# Altium PCB LFI Power Board PCB1.PcbDoc (continued)
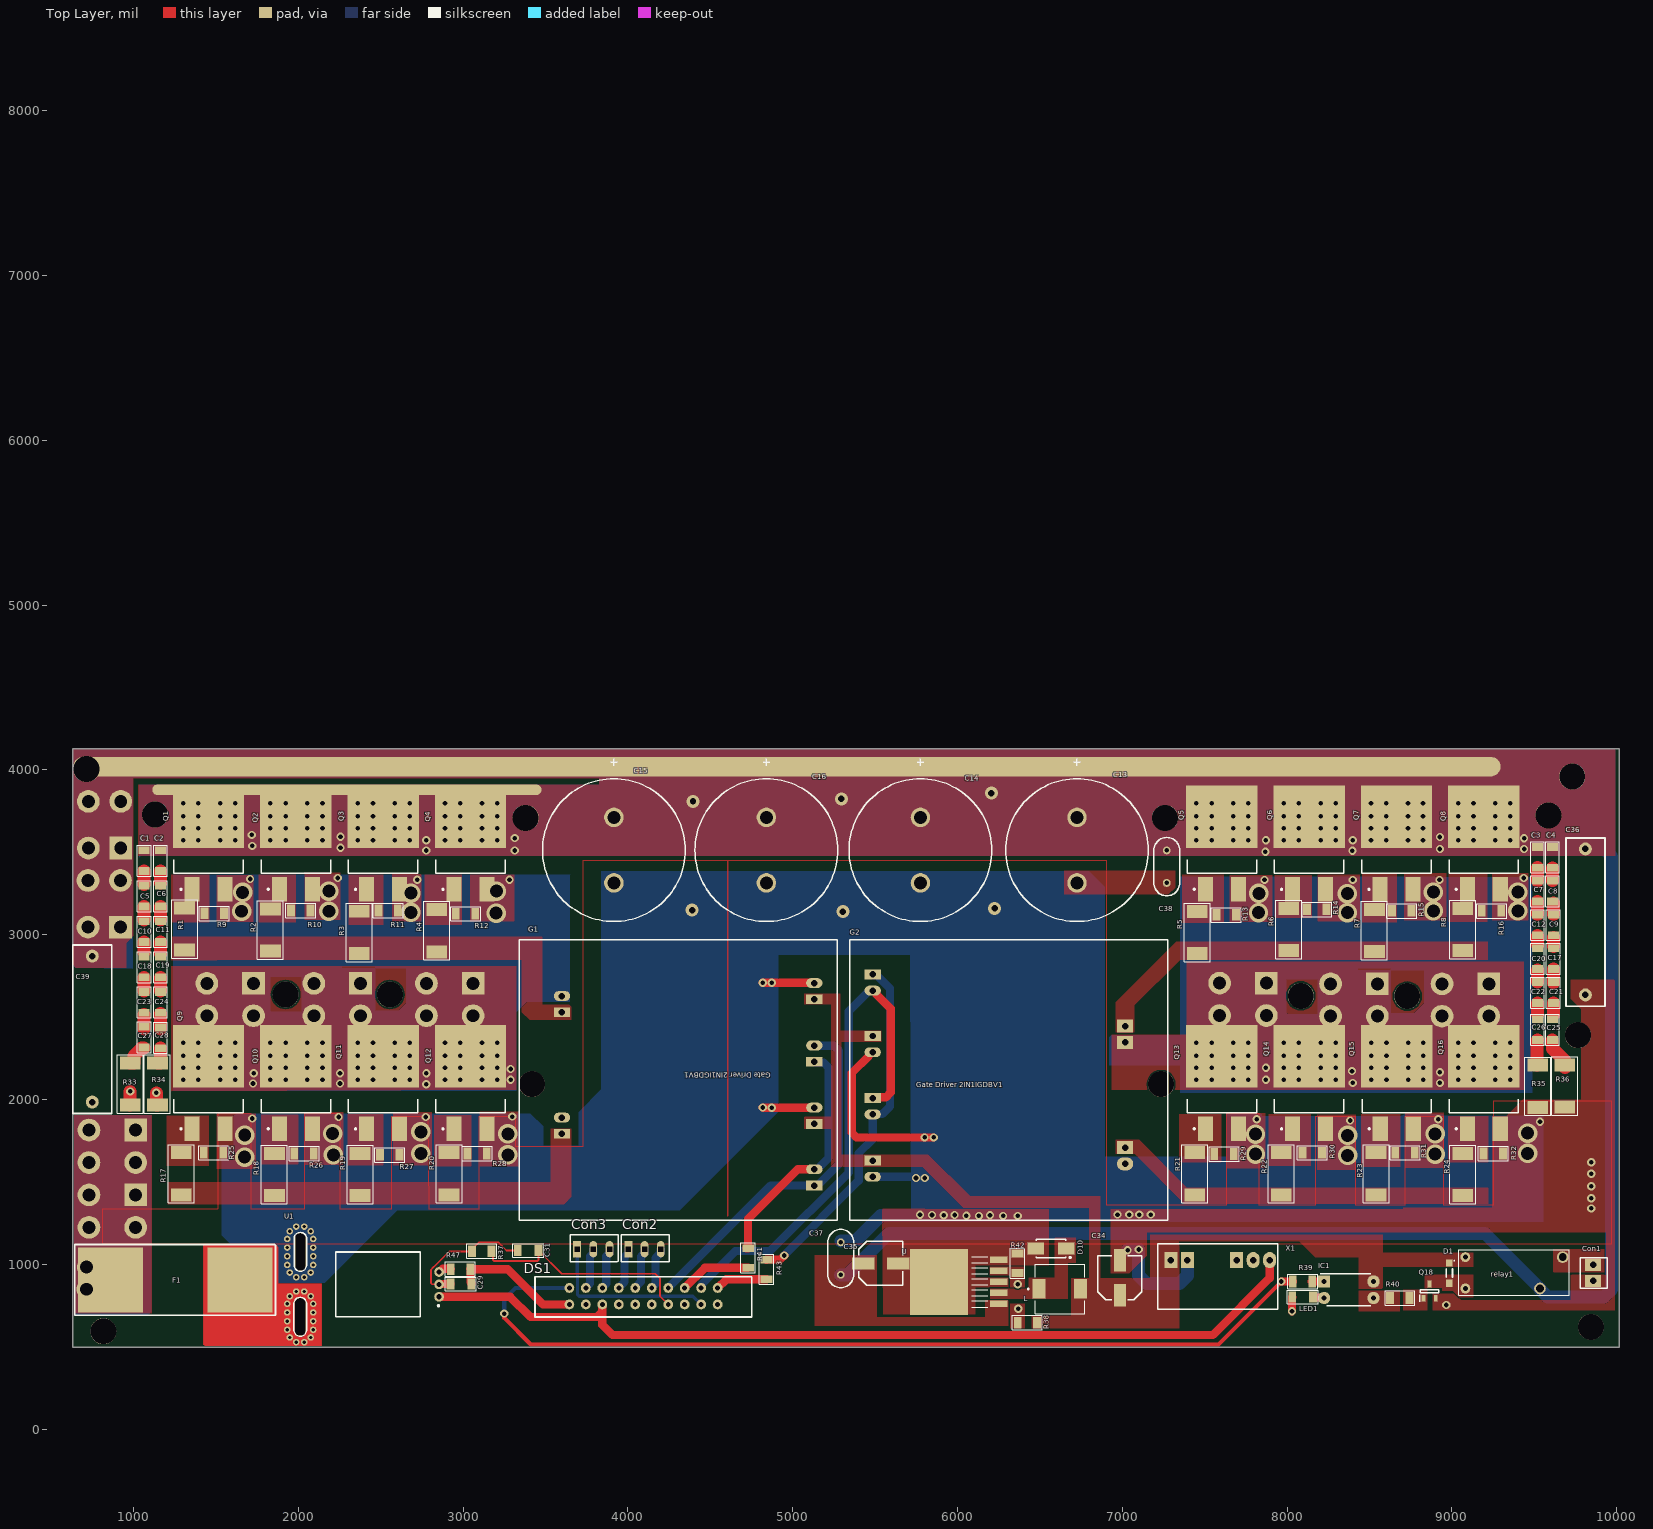
[diagram p0: Top Layer view]
## Nets (pads, with @x,y where several pads share a name; then routed paths per layer and width w, separated by ;. In a path a pad name is that pad's centre, name@x,y a point inside that pad or via, vN(x,y) a via of type N, cw(c..) or ccw(c..) an arc to the next point about the centre after c; other vN are vias at no path point) (continued)
  other v3: 4395,3810 5295,3825 6205,3860
f: R38.1 R42.2 U.4
  other v1: 6369.09,731.34 6364.82,878.98
GND_1: C13.1 C14.1 C15.1 C16.1 C34.2 C35.2 C36.1 C37.1 C38.1 C39.1 Con1.2 D10.a G1.4 G1.8 G1.10 G2.4 G2.8 G2.12 pad.27@9763.78,2390.75 pad.29@2013.38,1075.23 Q9.2 Q10.2 Q11.2 Q12.2 Q13.2 Q14.2 Q15.2 Q16.2 Q18.2 R25.1 R26.1 R27.1 R28.1 R29.1 R30.1 R31.1 R32.1 R33.1 R34.1 R35.1 R36.1 R42.1 U1.4 U.3 U.5 U.6 X1.2 | length 3373.8
  Top Layer w10: v2(9459.17,1796.26) v2@9461.94,1796.26 ; v1@9531.81,1866.14 v1(9534.58,1866.14)
  Top Layer w50: v1(4818.9,1951.85) 4819.81,1950.94 v1(4872.69,1950.94) 5131.17,1950.94 G1.4 ; v1(4818.9,2708.66) v1(4872.69,2708.66) 5130,2708.66 G1.8 ; G2.4 5468.02,2287.56 5463.4,2282.94 5463.4,2265.96 5358.27,2160.83 5358.27,1799.96 5387.69,1770.54 v1(5800.41,1770.54) 5800.54,1770.67 v1(5856.3,1770.67)
  Top Layer w78.74: R33.1 v1(980,2049.79) ; v1(1138.78,2041.34) 1138.78,1967.05 R34.1
  Bottom Layer w50: G2.8 5740.98,1531.65 v1(5748.03,1524.61) v1(5800.54,1524.61)
  Bottom Layer w78.74: C37.1@5293.43,1140.75 5378.72,1140.75 5534.23,1296.26 v1@5772.64,1296.26 ; v1(7031.95,1086.64) 7095.25,1086.64 v1(7099.03,1090.42) 7099.03,931.2 7145.15,885.07 7347.97,885.07 7394.09,931.2 X1.2
  other v1: 8965.55,753.94 6129.92,1294.29 6276.57,1294.29 6364.82,1294.29 6054.13,1295.28 5916.34,1298.23 6196.85,1298.23 5845.47,1300.2 5982.28,1300.2 5772.64,1301.18 6970.47,1302.17 7042.76,1302.17 7102.28,1302.17 7172.74,1302.17 9844.92,1339.84 9844.92,1401.57 9844.92,1474.84 9844.92,1550 9844.92,1619.84 8381.89,1873.03 7815.94,1880.91 8917.32,1880.91 1720.32,1885.52 2244.68,1894.27 2773.62,1894.49 3298.08,1897
  other v2: 1674.21,1650.59 8367.22,1661.46 2213.04,1665 3271.65,1665 7808.09,1668.65 8898.24,1669.78 2743.15,1672.95 9459.17,1674.45 8367.22,1783.27 1675.2,1784.45 7808.09,1790.46 8898.24,1791.59 3271.65,1792.8 2208.66,1794.29 2743.15,1804.8
  other v3: 5305,3140 4390,3150 6225,3160
IFB: C29.2 DS1.20 R47.2 | length 785.5
  Top Layer w50: C29.2 3049.21,888.98 3044.69,893.5 3044.69,969.09 R47.2 3271.65,970.47 3485.24,756.89 DS1.20@3649.3,756.89
ISO5v: DS1.18 U1.1 X1.7 | length 5503.7
  Top Layer w50: U1.1 3285.83,803.74 3408.46,681.1 3813.8,681.1 3843.08,710.39 ; DS1.18 3844.69,710.39 3844.69,632.68 3905.9,571.46 7548.82,571.46 7894.09,916.73 X1.7
ISO5vGnd: C29.1 C31.1 DS1.11 LED1.1 R37.1 U1.2 X1.5 | length 906.4
  Top Layer w10: U1.2 2810.95,878.94 2805.09,884.79 2805.09,967.49 2819.61,982.01 cw(c2854.33,954.13) 2826.45,988.85 2916.34,1078.74 3053.15,1078.74 R37.1 ; R37.1@3053.15,1090.55 3072.76,1110.16 3072.76,1111.14 3096.46,1134.84 3213.15,1134.84 3263.35,1084.65 C31.1
  Top Layer w50: U1.2 2855.81,880.41 2921.85,880.41 2923.23,881.79 C29.1 ; v1(8029.72,716.34) 8029.72,799.96 LED1.1
  Bottom Layer w50: U1.2@2852.6,877.2 U1.2
NetC1_1: C1.1 C5.2 | length 82
  Top Layer w78.74: C5.2@1065,3305 C1.1
NetC2_1: C2.1 C6.2 | length 72
  Top Layer w78.74: C6.2@1165,3315 C2.1
NetC3_1: C3.1 C7.2 | length 79.3
  Top Layer w78.74: C7.2@9520,3327.67 C3.1
NetC4_1: C4.1 C8.2 | length 77
  Top Layer w78.74: C8.2@9610,3328.07 C4.1@9610,3405.08
NetC5_1: C5.1 C10.2 | length 82
  Top Layer w78.74: C10.2@1065,3090 C5.1
NetC6_1: C6.1 C11.2 | length 82.1
  Top Layer w78.74: C11.2@1165,3089.89 C6.1
NetC7_1: C7.1 C12.2 | length 79
  Top Layer w78.74: C12.2 C7.1
NetC8_1: C8.1 C9.2 | length 71.2
  Top Layer w78.74: C9.2 C8.1@9615,3194.22
NetC9_1: C9.1 C17.2 | length 55.2
  Top Layer w78.74: C17.2@9615,2930 C9.1@9615,2985.23
NetC10_1: C10.1 C18.2 | length 65
  Top Layer w78.74: 1065,2891.95 C10.1
NetC11_1: C11.1 C19.2 | length 71.9
  Top Layer w78.74: C19.2@1165,2885 C11.1
NetC12_1: C12.1 C20.2 | length 57.9
  Top Layer w78.74: C20.2@9520,2939.15 C12.1
NetC17_1: C17.1 C21.2 | length 84.3
  Top Layer w78.74: C21.2@9615,2707.5 C17.1@9615,2791.8
NetC18_1: C18.1 C23.2 | length 82
  Top Layer w78.74: C23.2@1065,2660 C18.1
NetC19_1: C19.1 C24.2 | length 82.5
  Top Layer w78.74: C24.2@1165,2659.17 C19.1@1165,2741.69
NetC20_1: C20.1 C22.2 | length 71.7
  Top Layer w78.74: C22.2@9520,2715 C20.1@9520,2786.71
NetC21_1: C21.1 C25.2 | length 72
  Top Layer w78.74: 9615,2515 C21.1
NetC22_1: C22.1 C26.2 | length 72
  Top Layer w78.74: 9520,2515 C22.1
NetC23_1: C23.1 C27.2 | length 88
  Top Layer w78.74: C27.2@1065,2429.82 C23.1@1065,2517.82
NetC24_1: C24.1 C28.2 | length 92.1
  Top Layer w78.74: C28.2@1165,2429.82 C24.1@1165,2521.95
NetC25_1: C25.1 R36.2 | length 199.7
  Top Layer w78.74: C25.1@9608.74,2362.01 9608.74,2311.26 9685,2235 R36.2 R36.2@9685,2193.9
NetC26_1: C26.1 R35.2 | length 155.2
  Top Layer w78.74: R35.2@9515,2208.83 9515,2357.01 C26.1
NetC27_1: C27.1 R33.2 | length 146.9
  Top Layer w78.74: R33.2 1003.62,2222.95 1003.62,2265.71 1049.75,2311.83 C27.1@1065,2311.83
NetC28_1: C28.1 R34.2 | length 109.1
  Top Layer w78.74: R34.2 1165,2222.95 C28.1
NetCon1_1: Con1.1 relay1.4
NetCon2_1: Con2.1 DS1.7 | length 259.4
  Bottom Layer w50: DS1.7 3944.69,859.99 3979.33,894.64 3979.33,1046.06 4002.95,1069.68 Con2.1
NetCon2_2: Con2.2 DS1.6 | length 258.7
  Bottom Layer w50: DS1.6 4044.69,859.99 4079.72,895.03 4079.72,1048.03 4101.38,1069.68 Con2.2
NetCon2_3: Con2.3 DS1.5 | length 258.3
  Bottom Layer w50: DS1.5 4144.69,859.99 4167.32,882.63 4167.32,1037.64 4197.99,1068.31 4198.43,1068.31 4199.8,1069.68 Con2.3
NetCon3_1: Con3.1 DS1.12 | length 1051.6
  Bottom Layer w20: Con3.1 3691.93,946.32 3694.69,943.56 3694.69,836.57 3693.68,835.57 3693.68,819 3705.4,807.28 4394.69,807.28 DS1.12
NetCon3_2: Con3.2 DS1.9 | length 254.2
  Bottom Layer w50: DS1.9 3744.69,859.99 3769.69,884.99 3769.69,1049.02 3790.35,1069.69 Con3.2
NetCon3_3: Con3.3 DS1.8 | length 253.5
  Bottom Layer w50: DS1.8 3844.69,859.99 3869.09,884.4 3869.09,1050 3888.78,1069.69 Con3.3
NetD1_a: D1.a Q18.3 relay1.2
NetD10_k: D10.k L.1 U.2
NetDS1_1: DS1.1 R43.2 | length 317.6
  Top Layer w50: DS1.1 4597.09,909.68 R43.2
NetDS1_2: DS1.2 G2.2 G2.5 | length 3168.2
  Top Layer w50: G2.5 5490,2014.02 5565.2,2014.02 5594.49,2043.31 5594.49,2552.09 5506.6,2639.98 5506.6,2656.96 5501.98,2661.57 G2.2
  Bottom Layer w50: DS1.2 4446.6,859.2 4446.6,876.84 4651.45,1081.69 4863.55,1081.69 5340.31,1558.46 5340.31,2536.57 5462.05,2658.31 5481.73,2658.31 G2.2
NetDS1_3: DS1.3 R41.2 | length 435.6
  Top Layer w50: DS1.3 4466.73,979.33 4728.35,979.33 R41.2
NetDS1_4: DS1.4 G1.1 G1.6 | length 2198.1
  Top Layer w10: G1.6@5150,2334.37 G1.6@5150.51,2334.88
  Bottom Layer w50: DS1.4 4866.22,1478.82 5151.18,1478.82 5280.31,1607.95 5280.31,2297.03 5251.03,2326.32 5133.41,2326.32 G1.6
NetDS1_10: DS1.10 R39.2 | length 5545.1
  Top Layer w25: v1(3250,701.77) 3250,675.2 3410.43,514.76 7583.43,514.76 v1(7965,896.34)
  Top Layer w50: v1(7965,896.34) R39.2
  Bottom Layer w25: v1@3249.69,701.77 3249.69,788.39 3318.58,857.28 DS1.10
NetF1_1: F1.1 pad.29@2012.22,680.75 U1.5
NetF1_2: F1.2 T5.1 T6.1
  other v2: 714.57,849.41 715.55,983.27
NetG1_2: G1.2 G1.5 R41.1 | length 1489.3
  Top Layer w50: R41.1 4720.28,1098.43 4718.9,1099.8 4729.33,1099.8 4729.33,1276.57 5030,1577.24 G1.2
  Bottom Layer w50: G1.2 5148.48,1577.24 5217.72,1646.49 5217.72,2195.51 5188.43,2224.8 5136.5,2224.8 G1.5
NetG1_9: G1.9 R17.1 R18.1 R19.1 R20.1
NetG1_11: G1.11 R1.1 R2.1 R3.1 R4.1
NetG2_1: G2.1 G2.6 R43.1 | length 2204.9
  Top Layer w50: R43.1 4841.93,1029.17 4924.42,1029.17 v1(4949.19,1053.94) ; G2.6@5463.4,1905.97 5468.02,1910.59 G2.6 G2.6@5486.91,1912.5
  Bottom Layer w50: v1(4949.19,1053.94) 4949.19,1056.7 5400.31,1507.83 5400.31,1674.58 5485,1759.26 G2.6 5486.91,1912.5 5543.41,1912.5 5589.57,1958.66 5589.57,2675.12 5509.69,2755 5490,2755 G2.1
NetG2_9: G2.9 R5.1 R6.1 R7.1 R8.1
NetG2_11: G2.11 R21.1 R22.1 R23.1 R24.1
NetIC1_1: IC1.1 R39.1 | length 75.9
  Top Layer w50: R39.1@8148.15,896.34 IC1.1
NetIC1_2: IC1.2 LED1.2 | length 69.7
  Top Layer w50: LED1.2 8157.09,800.22 8158.46,798.84 8221.59,798.84 IC1.2
NetIC1_3: IC1.3 R40.2
NetQ1_1: Q1.1 R1.2 R9.2
NetQ2_1: Q2.1 R2.2 R10.2
NetQ3_1: Q3.1 R3.2 R11.2
NetQ4_1: Q4.1 R4.2 R12.2
NetQ5_1: Q5.1 R5.2 R13.2
NetQ6_1: Q6.1 R6.2 R14.2
NetQ7_1: Q7.1 R7.2 R15.2
NetQ8_1: Q8.1 R8.2 R16.2
NetQ9_1: Q9.1 R17.2 R25.2
NetQ10_1: Q10.1 R18.2 R26.2
NetQ11_1: Q11.1 R19.2 R27.2
NetQ12_1: Q12.1 R20.2 R28.2
NetQ13_1: Q13.1 R21.2 R29.2
NetQ14_1: Q14.1 R22.2 R30.2
NetQ15_1: Q15.1 R23.2 R31.2
NetQ16_1: Q16.1 R24.2 R32.2
NetQ18_1: Q18.1 R40.1
NetR47_1: R47.1 U1.3 | length 81
  Top Layer w50: U1.3 2856.78,954.13 2876.07,973.43 2923.82,973.43 2925.2,972.05 R47.1
Source_1: G1.12 Q1.2 Q2.2 Q3.2 Q4.2 Q9.3 Q10.3 Q11.3 Q12.3 R9.1 R10.1 R11.1 R12.1 T7.1 T9.1 T11.1
  other v1: 2776.57,2093.43 1725.39,2097.44 2253.07,2097.44 1300.94,2120.08 1393.46,2120.08 1525.35,2120.08 1616.89,2120.08 1830.71,2120.08 1923.23,2120.08 2055.12,2120.08 2146.65,2120.08 2360.47,2120.08 2452.99,2120.08 2584.88,2120.08 2676.42,2120.08 2890.24,2120.08 2982.76,2120.08 3114.65,2120.08 3206.18,2120.08 3288.36,2120.08 1729.33,2160.43 2253.07,2160.43 2777.56,2160.43 3288.36,2186.03 1300.94,2193.9 1393.46,2193.9 1525.35,2193.9 1616.89,2193.9 1830.71,2193.9 1923.23,2193.9 2055.12,2193.9 2146.65,2193.9 2360.47,2193.9 2452.99,2193.9 2584.88,2193.9 2676.42,2193.9 2890.24,2193.9 2982.76,2193.9 3114.65,2193.9 3206.18,2193.9 1300.94,2265.75 1393.46,2265.75 1525.35,2265.75 1616.89,2265.75 1830.71,2265.75 1923.23,2265.75 2055.12,2265.75 2146.65,2265.75 2360.47,2265.75 2452.99,2265.75 2584.88,2265.75 2676.42,2265.75 2890.24,2265.75 2982.76,2265.75 3114.65,2265.75 3206.18,2265.75 1300.94,2344.49 1393.46,2344.49 1525.35,2344.49 1616.89,2344.49 1830.71,2344.49 1923.23,2344.49 2055.12,2344.49 2146.65,2344.49 2360.47,2344.49 2452.99,2344.49 2584.88,2344.49 2676.42,2344.49 2890.24,2344.49 2982.76,2344.49 3114.65,2344.49 3206.18,2344.49 2721.46,3334.65 3281.5,3334.65 1707.68,3338.58 2239.73,3344.7
  other v2: 3200.53,3131.2 2683.07,3135.83 1655.65,3142.95 2186.02,3142.95 2683.07,3252.95 1661.89,3257.99 2186.02,3264.76 3201.51,3265.06
Source_2: G2.10 Q5.2 Q6.2 Q7.2 Q8.2 Q13.3 Q14.3 Q15.3 Q16.3 R13.1 R14.1 R15.1 R16.1 T8.1 T10.1 T12.1
  other v1: 8398.62,2101.38 8927.17,2101.38 7449.29,2120.08 7541.81,2120.08 7673.7,2120.08 7765.24,2120.08 7871.06,2120.08 7979.06,2120.08 8071.57,2120.08 8203.46,2120.08 8295,2120.08 8510.59,2120.08 8603.11,2120.08 8735,2120.08 8826.54,2120.08 9038.58,2120.08 9131.1,2120.08 9262.99,2120.08 9354.53,2120.08 8927.17,2166.34 8393.7,2173.23 7449.29,2193.9 7541.81,2193.9 7673.7,2193.9 7765.24,2193.9 7871.06,2193.9 7979.06,2193.9 8071.57,2193.9 8203.46,2193.9 8295,2193.9 8510.59,2193.9 8603.11,2193.9 8735,2193.9 8826.54,2193.9 9038.58,2193.9 9131.1,2193.9 9262.99,2193.9 9354.53,2193.9 7449.29,2265.75 7541.81,2265.75 7673.7,2265.75 7765.24,2265.75 7979.06,2265.75 8071.57,2265.75 8203.46,2265.75 8295,2265.75 8510.59,2265.75 8603.11,2265.75 8735,2265.75 8826.54,2265.75 9038.58,2265.75 9131.1,2265.75 9262.99,2265.75 9354.53,2265.75 7449.29,2344.49 7541.81,2344.49 7673.7,2344.49 7765.24,2344.49 7979.06,2344.49 8071.57,2344.49 8203.46,2344.49 8295,2344.49 8510.59,2344.49 8603.11,2344.49 8735,2344.49 8826.54,2344.49 9038.58,2344.49 9131.1,2344.49 9262.99,2344.49 9354.53,2344.49 7862.56,3333.29 8398.62,3333.29 8924.57,3333.29 9435.04,3344.49
  other v2: 7826.2,3134.3 8365.16,3134.3 8887.35,3145 9400.15,3145 8365.16,3250 7828.74,3251.97 8887.35,3258.86 9400.15,3258.86
TFB: C31.2 DS1.14 R37.2 | length 1384.4
  Top Layer w10: R37.2@3181.1,1100.31 3181.1,1026.53 3186.96,1020.67 3451.91,1020.67 3457.77,1026.53 C31.2@3457.77,1069.6 ; C31.2 3598.43,943.9 4166.34,943.9 4194.88,915.35 4194.88,807.09 DS1.14
VFB: DS1.16
pads on no net: DS1.13 DS1.15 DS1.17 DS1.19 X1.6
copper on no net: | length 9.5
  Bottom Layer w25: 3944.69,747.81 3944.69,757.28

## Polygon pours and split planes (outlines as drawn)
GND_1 on Top Layer "Top Layer-NetG1_11" (solid, remove dead copper, pour order 293): 8717.37,1920.05 8951.45,1920.05 8951.45,1585.76 8717.37,1585.76
GND_1 on Top Layer "Top Layer-NetG1_11" (solid, remove dead copper, pour order 292): 8182.08,1908.26 8416.15,1908.26 8416.15,1573.97 8182.08,1573.97
GND_1 on Top Layer "Top Layer-NetG1_11" (solid, remove dead copper, pour order 291): 7634.05,1917.72 7868.12,1917.72 7868.12,1583.43 7634.05,1583.43
GND_1 on Top Layer "GND_1_L01_P239" (solid, pour order 239): 6109.09,919.84 6309.09,919.84 6309.09,861.34 6109.09,861.34 6109.09,696.34 5549.73,696.34 5542.45,1336.61 6554.09,1336.61 6554.09,996.34 6109.09,996.34
5v on Top Layer "5V_L01_P244" (solid, pour order 244): 5233.27,1822.09 5233.27,2578.74 5070.87,2578.74 5070.87,2642.72 5287.4,2642.72 5287.4,2419.29 5538.39,2419.29 5538.39,2351.38 5293.42,2351.38 5293.43,1665.35 5823.82,1665.35 6075.79,1413.39 6865.16,1413.39 6865.16,916.34 7168.05,916.34 7168.05,1181.1 7169.04,1180.12 8581.69,1180.12 8581.69,1047.09 8579.09,1044.49 8170.08,1044.49 8073.82,1140.75 7342.52,1140.75 7342.52,1116.32 7345,1113.84 7345,611.22 6450.14,611.22 6450.14,688.84 6690.14,688.84 6690.14,916.34 6799.21,916.34 6799.21,1344.49 6034.49,1344.49 5785.47,1593.5 5233.81,1593.5 5233.03,1821.85 5070.87,1821.85 5070.87,1893.7 5072.83,1895.67 5233.27,1895.67
Source_2 on Top Layer "Top Layer-NetG1_11" (solid, remove dead copper, pour order 290): 9243.11,3372.11 9461.61,3372.11 9461.61,3089.08 9243.11,3089.08
Source_2 on Top Layer "Top Layer-NetG1_11" (solid, remove dead copper, pour order 289): 8711.4,3372.76 8964.4,3372.76 8964.4,3089.74 8711.4,3089.74
Source_2 on Top Layer "Top Layer-NetG1_11" (solid, remove dead copper, pour order 288): 8185,3364.21 8439.55,3364.21 8439.55,3081.18 8185,3081.18
Source_2 on Top Layer "Top Layer-NetG1_11" (solid, remove dead copper, pour order 287): 7651.57,3362.28 7911.24,3362.28 7911.24,3079.26 7651.57,3079.26
GND_1 on Top Layer "GND_1_L01_P259" (solid, pour order 259): 6929.09,1194.88 6929.09,947.28 7042.76,947.28 7149,1053.52 7149,1194.88 9936.02,1194.88 9936.02,934.43 9905.32,934.43 9905.32,732.78 9916.76,721.34 9988.19,721.34 9988.19,2724.41 9986.22,2726.38 9719.49,2726.38 9719.49,2611.22 9783.46,2547.24 9783.46,2000 9439.96,2000 9435.04,2004.92 9330.27,1900.16 9245,1900.16 9245,1349.84 9240.16,1345 8950,1345 8705,1345 8705,1335 8404.53,1335 8170,1335 7845.47,1334.98 7640,1335 7125,1335 6929.09,1335
GND_1 on Top Layer "Top Layer-NetG1_11" (solid, remove dead copper, pour order 285): 3100.03,1927.17 3334.11,1927.17 3334.11,1595.13 3100.03,1595.13
GND_1 on Top Layer "Top Layer-NetG1_11" (solid, remove dead copper, pour order 284): 2575.91,1924.21 2809.99,1924.21 2809.99,1603.19 2575.91,1603.19
GND_1 on Top Layer "Top Layer-NetG1_11" (solid, remove dead copper, pour order 283): 2040.26,1924.21 2274.33,1924.21 2274.33,1604.33 2040.26,1604.33
GND_1 on Top Layer "Top Layer-NetG1_11" (solid, remove dead copper, pour order 282): 1506.59,1915 1740.67,1915 1740.67,1580.71 1506.59,1580.71
Source_1 on Top Layer "Top Layer-NetG1_11" (solid, remove dead copper, pour order 281): 3044.76,3363.77 3309.13,3363.77 3309.13,3080.74 3044.76,3080.74
Source_1 on Top Layer "Top Layer-NetG1_11" (solid, remove dead copper, pour order 280): 2571.14,3366.61 2746.34,3366.61 2746.34,3083.58 2571.14,3083.58
Source_1 on Top Layer "Top Layer-NetG1_11" (solid, remove dead copper, pour order 279): 2040,3375.59 2255.07,3375.59 2255.07,3092.56 2040,3092.56
Source_1 on Top Layer "Top Layer-NetG1_11" (solid, remove dead copper, pour order 278): 1505,3362.75 1727.27,3362.75 1727.27,3079.72 1505,3079.72
NetCon1_1 on Top Layer "NETCON1_1_L01_P270" (solid, pour order 270): 9616.14,1092.52 9616.14,956.69 9615.16,955.71 9619.09,951.77 9923.23,951.77 9923.23,1090.55
NetF1_1 on Top Layer "NETF1_1_L01_P257" (solid, pour order 257): 1427.83,1115 1865,1115 1874.6,1105.4 1874.6,881.85 2140,881.85 2140,838.63 2140,505 1435.9,505 1427.83,513.07
NetF1_2 on Top Layer "NETF1_2_L01_P256" (solid, pour order 256): 640,1905 1110,1905 1110,704.72 640,704.72
GND_1 on Top Layer "Top Layer-GND" (solid, remove dead copper, shelved, pour order 255): 9970,1125 9970,1990 9250,1990 9250,1360 8950,1360 8950,1895 8715,1895 8715,1360 8415,1360 8415,1894.99 8170,1895 8170,1360 7830,1360 7830,1915 7630,1915 7630,1360 6905,1360 6905,3448.16 4605,3448.16 4605,2853.16 4605,1293.16 4605,3448.16 3725,3448.16 3725,1714.83 3320,1714.59 3320,1895 3095,1895 3095,1335 2793.37,1335 2788.49,1895 2565,1895 2565,1335 2255,1335 2255,1915 2035,1915 2035,1335 1714.2,1335 1714.2,1915 1511.54,1915 1511.54,1335 810,1335 810,1125
+48v on Top Layer "Top Layer-No Net" (solid, remove dead copper, pour order 2): 9990,4124.99 630,4125 630,2820 650,2800 955,2800 955,2950 1000,2995 1000,3949.31 3825,3950.87 3825,3910 1030,3910 1030,3480 4065,3480 9990,3480
f on Top Layer "F_L01_P245" (solid, pour order 245): 6407.36,611.22 6407.36,760.41 6319.29,760.41 6319.29,611.22
f on Top Layer "F_L01_P241" (solid, pour order 241): 6194.29,985.35 6409.29,985.35 6409.29,860.35 6319.29,860.35 6319.29,935.35 6194.29,935.35
NetD10_k on Top Layer "NETD10_K_L01_P240" (solid, pour order 240): 6197.24,852.26 6433.24,852.26 6433.24,919.84 6589.09,919.84 6589.09,935.41 6589.09,1162.26 6717.24,1162.26 6717.24,1011.01 6668.19,1011.01 6668.19,790.32 6197.24,790.32
+48v on Top Layer "+48V_L01_P238" (solid, pour order 238): 5133.44,628.94 6308.86,628.94 6308.86,781.5 6213.86,781.5 6168.86,781.5 6168.86,678.38 5508.86,678.38 5508.86,781.5 5508.86,1056.5 5133.44,1056.5
GND_1 on Top Layer "GND_1_L01_P200" (solid, pour order 200): 6648.62,3389.76 7320,3389.76 7320,3285 7280,3245 6648.62,3245
GND_1 on Top Layer "Top Layer-GND 3" (solid, remove dead copper, pour order 196): 9017.92,821.34 9056.78,782.48 9722.44,782.48 9722.44,940.94 9727.05,936.34 9925.69,936.34 9925.69,732.78 9925.69,721.34 9884.96,721.34 8884.09,721.34 8884.09,821.34
5v on Top Layer "Top Layer-5v 1" (solid, remove dead copper, pour order 170): 8434.09,966.14 8434.09,853.78 8577.44,853.78 8579.09,855.44 8579.09,986.34 9129.09,986.34 9129.09,1071.34 8434.09,1071.34
NetD1_a on Top Layer "Top Layer-No Net 4" (solid, remove dead copper, pour order 168): 8939.09,856.34 8940,855.44 8940,841.34 9004.53,841.34 9044.53,801.34 9129.09,801.34 9129.09,936.34 8834.09,936.34 8834.09,856.34
NetQ18_1 on Top Layer "Top Layer-NetQ18_1" (solid, remove dead copper, pour order 166): 8704.09,846.34 8849.09,846.34 8849.09,721.34 8704.09,721.34
NetIC1_3 on Top Layer "Top Layer-NetIC1_3" (solid, remove dead copper, pour order 150): 8434.09,841.34 8684.09,841.34 8684.09,716.34 8434.09,716.34
NetG1_11 on Top Layer "Top Layer-NetG1_11 3" (solid, remove dead copper, pour order 80): 3357.28,2844.9 3357.28,2531.5 3404.53,2484.25 3657.48,2484.25 3657.48,2562.99 3644.69,2575.79 3478.79,2575.79 3478.79,2988.19 1230,2988.19 1230,2844.9
NetG1_9 on Top Layer "Top Layer-NetG1_9 3" (solid, remove dead copper, pour order 72): 3531,1500 3531,1822.83 3657.48,1822.83 3657.48,1409.45 3613.03,1365 1207.5,1365 1207.5,1500
NetG2_9 on Top Layer "Top Layer-NetG2_9 3" (solid, remove dead copper, pour order 62): 7328.74,2958.66 6961.61,2591.53 6961.61,2408.46 7071.85,2408.46 7071.85,2571.85 7350,2850 9218.5,2850 9218.5,2958.66
NetG2_11 on Top Layer "Top Layer-NetG2_11 3" (solid, remove dead copper, pour order 52): 7392.28,1465 7102.28,1755 6961.61,1755 6961.61,1670 7074.8,1670 7375.33,1369.48 9220,1369.48 9220,1465
NetQ16_1 on Top Layer "Top Layer-NetQ4_1" (solid, remove dead copper, pour order 46): 8978.11,1900.16 9220,1900.16 9220,1619.84 8978.11,1619.84
NetQ15_1 on Top Layer "Top Layer-NetQ4_1" (solid, remove dead copper, pour order 44): 8450,1912.01 8685,1912.01 8685,1592.01 8450,1592.01
NetQ14_1 on Top Layer "Top Layer-NetQ4_1" (solid, remove dead copper, pour order 42): 7887.5,1910 8142.5,1910 8142.5,1600 7887.5,1600
NetQ13_1 on Top Layer "Top Layer-NetQ4_1" (solid, remove dead copper, pour order 40): 7345,1910 7600,1910 7600,1620 7345,1620
NetQ8_1 on Top Layer "Top Layer-NetQ4_1" (solid, remove dead copper, pour order 38): 8980,3367.99 9215,3367.99 9215,3077.99 8980,3077.99
NetQ7_1 on Top Layer "Top Layer-NetQ4_1" (solid, remove dead copper, pour order 36): 8455,3366.85 8665.94,3366.85 8665.94,3076.85 8455,3076.85
NetQ6_1 on Top Layer "Top Layer-NetQ4_1" (solid, remove dead copper, pour order 34): 7925,3360 8150,3360 8150,3104.09 7925,3104.09
NetQ5_1 on Top Layer "Top Layer-NetQ4_1" (solid, remove dead copper, pour order 32): 7365,3363.43 7615,3363.43 7615,3073.43 7365,3073.43
Source_2 on Top Layer "Top Layer-Source_2" (solid, remove dead copper, pour order 30): 9435,2060 6935,2060 6935,2395 7390,2395 7390,2835 7655,2835 7895,2835 8185,2835 8420,2835 8715,2835 8940,2835 9245,2835 9435,2835
NetQ12_1 on Top Layer "Top Layer-NetQ12_1" (solid, remove dead copper, pour order 28): 2826.11,1904.87 3050,1904.87 3050,1595.13 2826.11,1595.13
NetQ11_1 on Top Layer "Top Layer-NetQ11_1" (solid, remove dead copper, pour order 26): 2300,1911.81 2515,1911.81 2515,1603.19 2300,1603.19
NetQ10_1 on Top Layer "Top Layer-NetQ10_1" (solid, remove dead copper, pour order 24): 1775,1907.5 2000,1907.5 2000,1607.5 1775,1607.5
NetQ9_1 on Top Layer "Top Layer-NetQ9_1" (solid, remove dead copper, pour order 22): 1200.47,1901.46 1455.47,1901.46 1455.47,1600 1200.47,1600
NetQ4_1 on Top Layer "Top Layer-NetQ4_1" (solid, remove dead copper, pour order 20): 2768.7,3365 2993.11,3365 2993.11,3060 2768.7,3060
NetQ3_1 on Top Layer "Top Layer-NetQ3_1" (solid, remove dead copper, pour order 18): 2305,3364.79 2515,3364.79 2515,3060 2305,3060
NetQ2_1 on Top Layer "Top Layer-NetQ2_1" (solid, remove dead copper, pour order 16): 1760,3364.79 1985,3364.79 1985,3074.79 1760,3074.79
NetQ1_1 on Top Layer "Top Layer-NetQ1_1" (solid, remove dead copper, pour order 14): 1230,3364.79 1460,3364.79 1460,3074.79 1230,3074.79
Source_1 on Top Layer "Top Layer-Source_1" (solid, remove dead copper, pour order 12): 3321.85,2810 1505,2810 1230,2810 1230,2049.79 3321.85,2058.42
ISO5vGnd on Bottom Layer "ISO5VGND_L02_P294" (solid, pour order 294): 5030.51,1099.41 7742.13,1099.41 7742.13,959.74 7770.67,931.2 7774.51,935.04 8078.74,935.04 8078.74,499.02 8077.35,497.63 2678.15,497.63 2678.15,1257.87 4355.31,1257.87 4949.8,1852.36 4949.8,2843.5 5676.18,2843.5 5676.18,1602.36 5331.69,1257.87 5187.01,1257.87 5030.51,1101.38
GND_1 on Bottom Layer "GND_1_L02_P286" (solid, pour order 286): 5725.27,1566.93 5728.56,1257.87 9975.39,1257.87 9975.39,1652.56 6892.72,1652.56 6892.72,3292.32 6799.21,3385.83 3800.2,3385.83 3800.2,1944.88 1289.37,1944.88 1138.78,2095.47 1138.78,2097.44 952.76,2097.44 899.61,2044.29 658.46,2044.29 658.46,1970.47 714.57,1914.37 1534.74,1914.37 1534.74,1182.09 1825.09,891.73 2186.02,891.73 2639.76,1345.47 4325.63,1345.47 4890.75,1910.59 4890.75,1993.11 4890.75,2675.12 4890.75,2866.14 5711.46,2866.14
Source_1 on Bottom Layer "Bottom Layer-Source_1" (solid, remove dead copper, pour order 222): 3323.82,3363.42 3652.56,3365.16 3652.56,2596.46 3644.25,2588.15 3323.82,2588.15 3323.82,2055 1240,2055 1240,2810 1240,3365.16 2040,3365.16 2040,2810 2040,3363.54 2038.39,3365.16 2570.87,3365.16 2570.87,2810 2575,2810 2570.87,2814.13 2570.87,3365.16 2736.4,3365.16 2738.19,3363.37 2738.19,2810 2738.19,3362.93
GND_1 on Bottom Layer "GND_1_L02_P263" (solid, pour order 263): 8710,1306.18 8710,1906.18 8947.83,1906.18 8947.83,1306.18 8865,1306.18
GND_1 on Bottom Layer "GND_1_L02_P262" (solid, pour order 262): 8180,1306.18 8180,1906.18 8403.54,1906.18 8403.54,1306.18 8335,1306.18
GND_1 on Bottom Layer "GND_1_L02_P260" (solid, pour order 260): 7630,1310 7630,1910 7846.46,1910 7851.38,1310 7785,1310
f on Bottom Layer "F_L02_P243" (solid, pour order 243): 6319.82,871.34 6409.82,871.34 6409.82,701.34 6319.82,701.34
Source_2 on Bottom Layer "Bottom Layer-Source_2" (solid, remove dead copper, pour order 224): 7365,2390.75 7360.08,2395.67 6926.18,2395.67 6926.18,2222.44 6946.85,2201.77 6951.77,2206.69 7365,2206.69 7365,2055 9440,2055 9440,2825 9440,3363.19 9243.11,3363.19 9245,3361.3 9245,2825 8948.82,2825 8948.82,3360.24 8942.91,3366.14 8940.89,3364.11 8707.68,3364.11 8707.68,2827.32 8710,2825 8424.21,2825 8420.28,2825.79 8420.28,3366.14 8184.06,3366.14 8180,3362.09 8180,2825 7895.67,2825 7895.67,3356.3 7890.75,3361.22 7652.56,3361.22 7652.56,2828.94 7656.5,2825 7365,2825
+48v on Bottom Layer "Bottom Layer-+48v 1" (solid, remove dead copper, pour order 216): 9990,4130 630,4130 630,2820 650,2800 955,2800 955,2950 1000,2995 1000,3955 3825,3955 3825,3910 1035,3910 1035,3470 4055,3470 4065,3480 7370,3480 9990,3480

## Other copper
Top Layer:
  region net NetF1_1: 1427.83,1115 1865,1115 1874.6,1105.4 1874.6,881.85 2140,881.85 2140,505 1435.9,505 1427.83,513.07
Bottom Layer:
  region net GND_1: 1609.25,1720.47 1609.25,1900.62 1623.63,1915 3407.83,1915 3485.24,1837.6 3485.24,1720.47 3503.94,1720.47 3700.79,1720.47 3700.79,1924.21 3838.58,2062.01 3838.58,3385.83 6799.21,3385.83 6892.72,3292.32 6892.72,1652.56 7630,1652.56 7630,1915 7840.47,1915 7845.47,1910 7845.47,1899.61 8189.96,1899.61 8192.91,1902.56 8195.32,1900.16 8404.53,1900.16 8685,1900.16 8715,1912.01 8947.99,1912.01 8951.01,1908.99 8951.01,1902.56 9553.15,1902.56 9553.15,1257.88 5719.21,1257.87 5711.89,2875 5464.72,2879.68 4911.42,2879.68 4911.42,1925.19 4313.99,1327.76 2600.39,1327.76 2160.43,887.79 1823.82,887.8 1534.74,1176.88 1534.74,1182.09 1534.53,1720.47
  region net NetF1_2: 639.76,1900.59 644.68,1905.51 1107.28,1905.51 1107.28,712.27 1087.93,692.91 633.86,692.91
  region net Source_2: 7403.54,2390.75 6934.06,2390.75 6920.28,2376.97 6921.26,2375.98 6921.26,2208.66 7435.51,2208.66 7449.29,2222.44 7423.23,2248.5 7423.23,2392.72
  region net Source_2: 8633.68,2796.71 8629.74,2792.78 8629.74,2525.1 8771.71,2525.1 8832.5,2585.89 8832.5,2783.96 8428.15,2783.96 8428.15,3351.87 8899.61,3351.87 8901.4,3350.08 8901.4,2796.71 8901.4,3349.9 9487.03,3349.9 9487.03,2516.71 9487.03,2041.71 8253.76,2041.71 7350.39,2041.71 7350.39,3351.87 7665.18,3351.87 7993.92,3351.87 7993.92,2796.71 7993.92,2529.04 8004.74,2518.21 8005.73,2519.19 8184.86,2519.19 8184.86,2731.79 7993.92,2731.79 7993.92,3351.06 8428.15,3351.06 8428.15,2796.71
  region net Source_1: 2470.47,2810 2466.54,2806.06 2466.54,2538.39 2608.5,2538.39 2653.78,2583.66 2653.78,2797.24 2264.94,2797.24 2264.94,3365.16 2736.4,3365.16 2738.19,3363.37 2738.19,2810 2738.19,3363.19 3650.59,3363.19 3648.41,3361 3648.41,2592.3 3386.12,2592.3 3323.82,2530 3323.82,2055 2090.55,2055 1240,2055 1240,3365.16 1501.97,3365.16 1830.71,3365.16 1830.71,2810 1830.71,2542.32 1841.54,2531.5 1842.52,2532.48 2021.65,2532.48 2021.65,2745.08 1830.71,2745.08 1830.71,3364.35 2264.94,3364.35 2264.94,2810
  region net +48v: 3825,3951.77 3825,3910 1035,3910 1035,3470 1045,3480 9990,3480 9990,3951.77 9990,4130 630,4130 630,2820 650,2800 996.06,2793.31 996.06,3951.77

## Silkscreen, mask and mechanical layers (free items; w line width, h text height)
Mechanical 1:
  lines w10: 630,497.05 10016.73,497.05 10016.73,4130 630,4130 630,497.05

## Text inside footprints (layer, text, board x,y; h text height)
G1: Top Overlay "Gate Driver 2IN1IGDBV1" at 4866.73,2163.86 h30 r180
G2: Top Overlay "Gate Driver 2IN1IGDBV1" at 5749.76,2074.96 h30